# Altium PCB graviton.PcbDoc (part 15 of 15)
Units mm, origin at the board's own origin, x right, y up, seen from the top; angles counter-clockwise.
Board outline 200 x 200 mm, 10 copper layers (TOP, POLYGON1, S1, POLYGON2, POLYGON3, POLYGON4, POLYGON5, S2, POLYGON6, BOT), stack 1.751 mm thick; 1317 components, 712 nets, 5121 pads, 3994 vias.
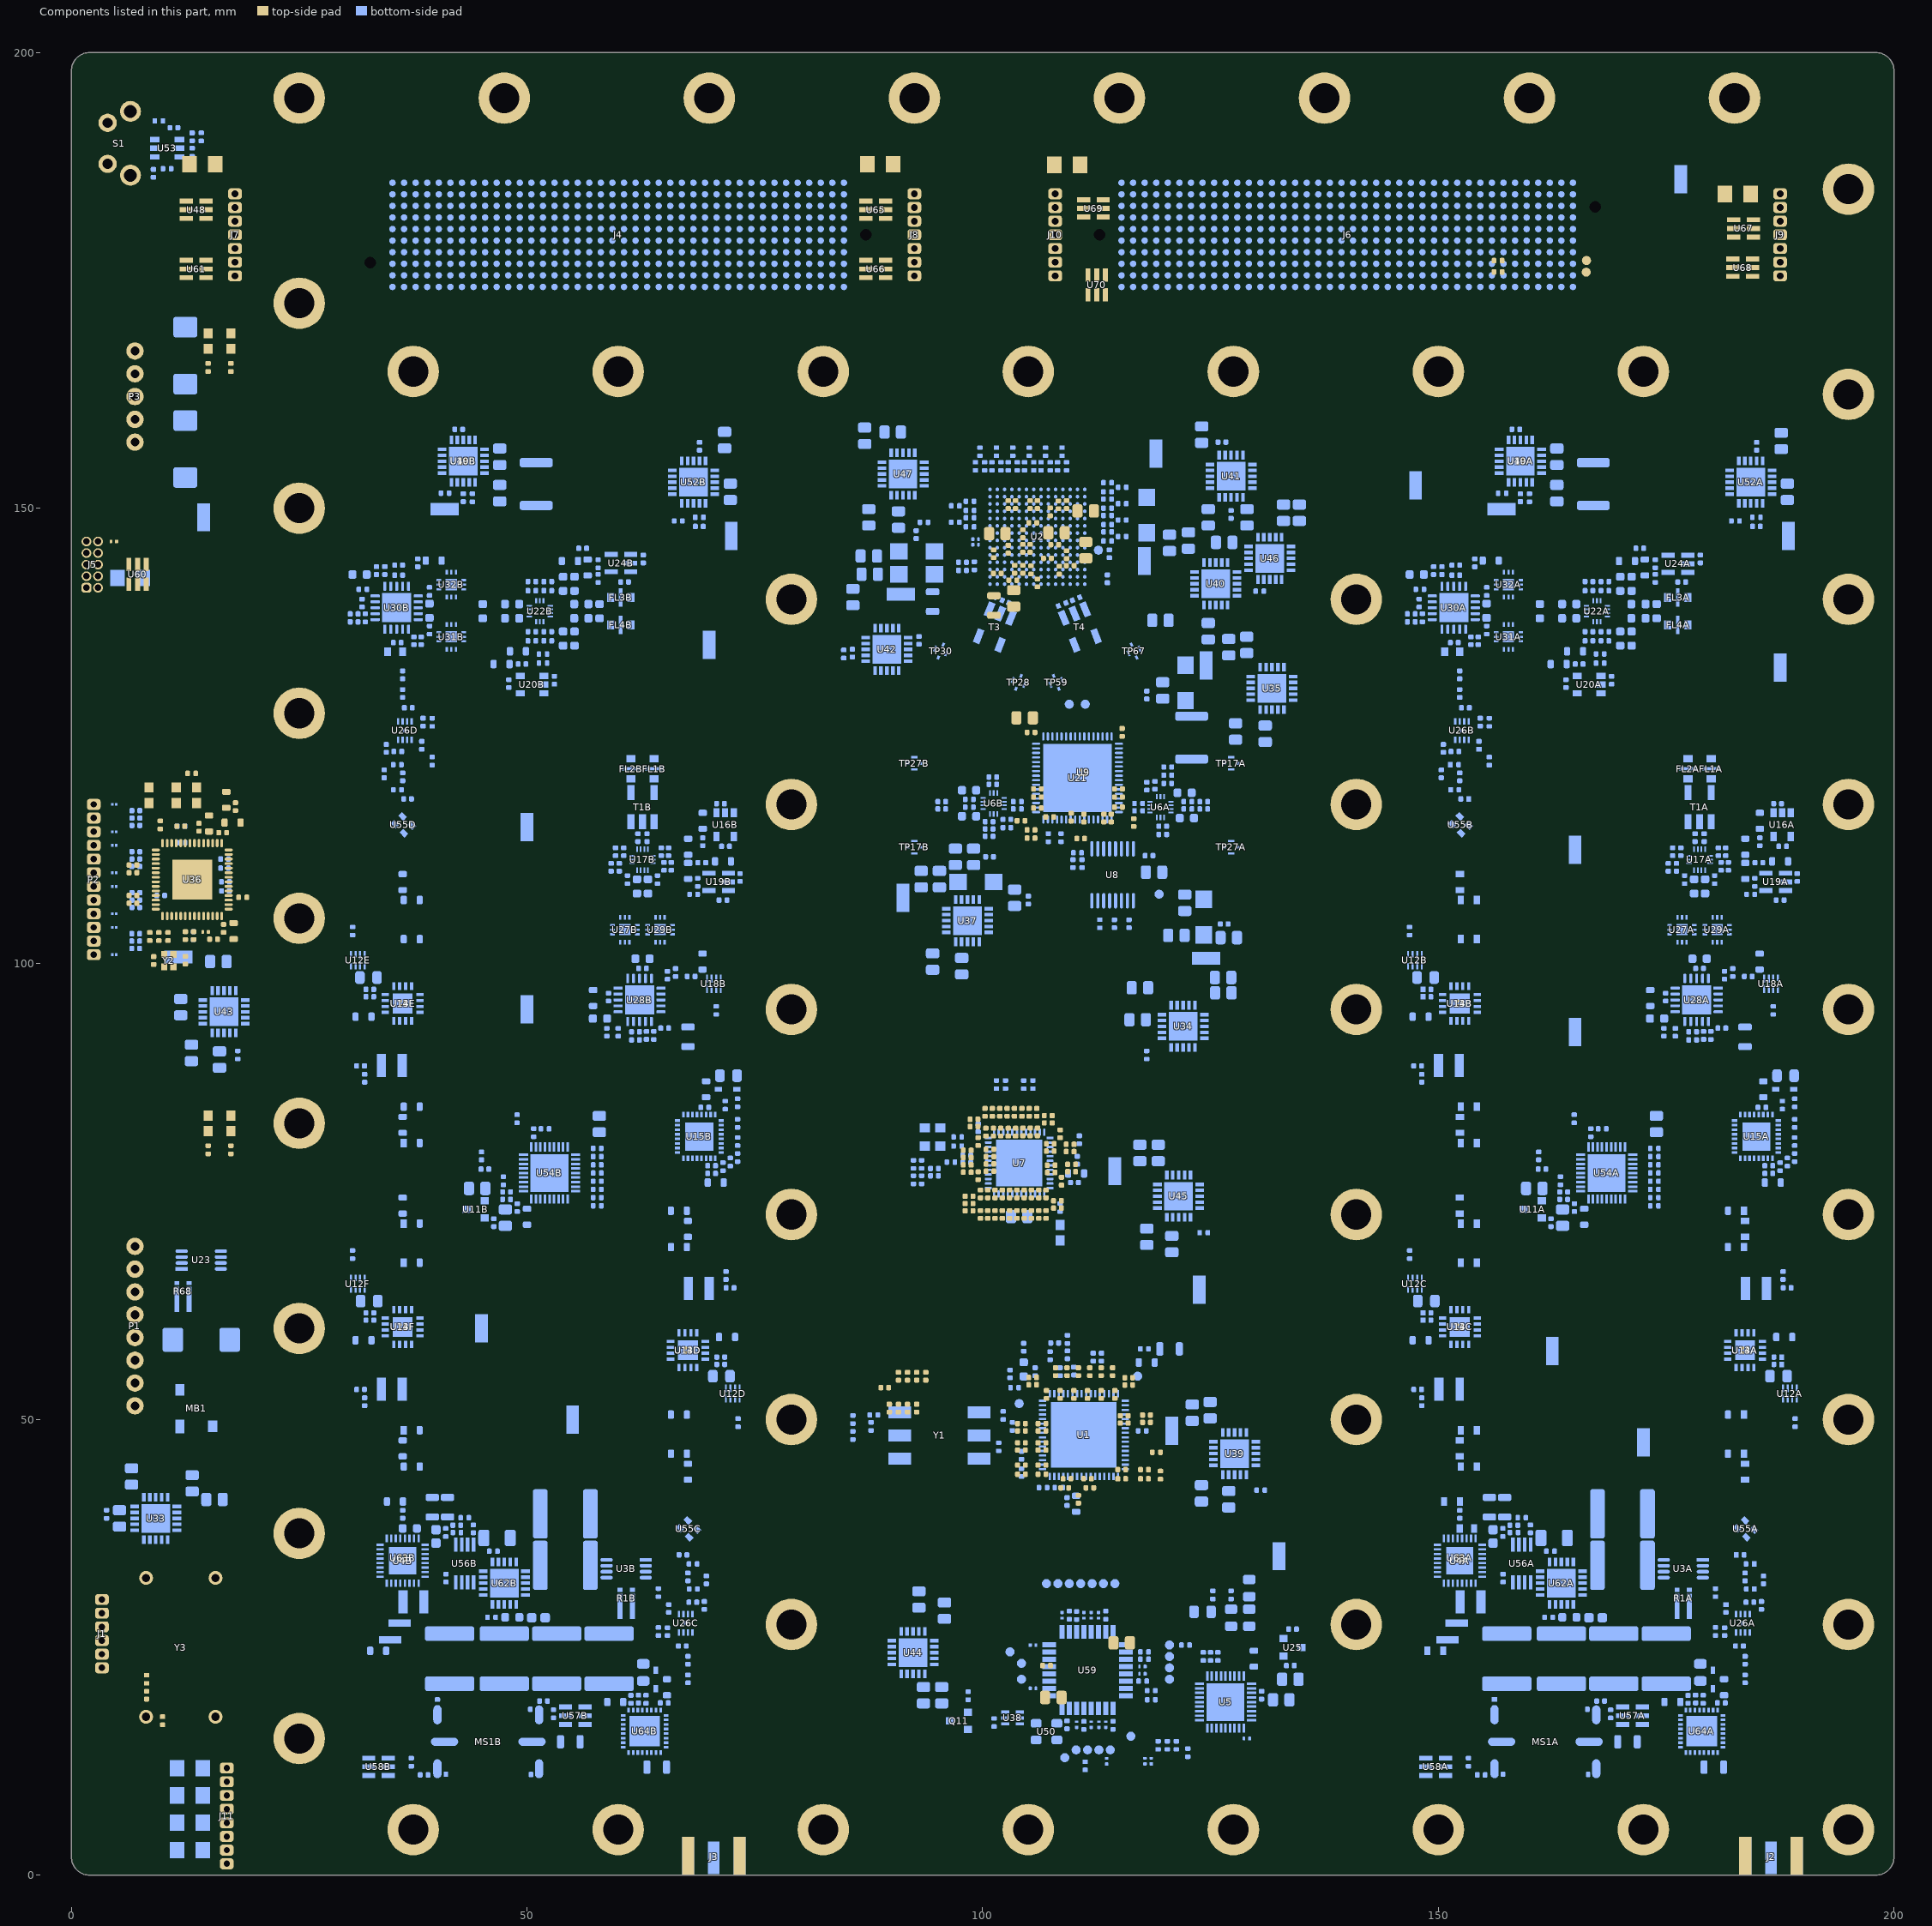
[diagram p23: the components of this part, seen from the top]

## Silkscreen, mask and mechanical layers (free items; w line width, h text height) (continued)
Bottom Solder:
  region: 146.1,4.4 146.1,160 135.9,160 135.9,4.4
  region: 200,4.3 200,4.425 190.2,4.425 190.2,4.3
  region: 86.25,4.3 86.25,4.4 74.225,4.4 74.225,4.3
  region: 67.1,4.4 67.1,10.1 66.8,10.1 66.8,4.4
  region: 86.25,0 86.25,6.425 74.225,6.425 74.225,0
  region: 200,0 200,6.8 190.2,6.8 190.2,0
  region: 183.1,4.4 183.1,10.1 182.775,10.1 182.775,4.4
  region: 182.775,10.1 84,10.1 84,0 182.775,0
  region: 84.1,4.4 84.1,160 73.9,160 73.9,4.4
  region: 66.8,10.1 28.15,10.1 28.15,0 66.8,0
  region: 30.1,0 30.1,200 19.9,200 19.9,0
  region: 200,4.425 200,193.1 189.9,193.1 189.9,4.425
  rectangle: 26.3,189.9 200,200
  rectangle: 27.225,159.9 192.15,170.1
  region: 105.1,168.15 105.1,193.1 94.9,193.1 94.9,168.15
  region: 146.1,158.9 cw(c147.1,158.9) 147.1,159.9 146.1,159.9
  region: 135.9,158.9 ccw(c134.9,158.9) 134.9,159.9 135.9,159.9
  region: 31.1,10.1 cw(c31.1,11.1) 30.1,11.1 30.1,10.1
  region: 85.1,10.1 cw(c85.1,11.1) 84.1,11.1 84.1,10.1
  region: 135.9,11.1 cw(c134.9,11.1) 134.9,10.1 135.9,10.1
  region: 147.1,10.1 cw(c147.1,11.1) 146.1,11.1 146.1,10.1
  region: 84.1,158.9 cw(c85.1,158.9) 85.1,159.9 84.1,159.9
  region: 72.9,159.9 cw(c72.9,158.9) 73.9,158.9 73.9,159.9
  region: 30.1,158.9 cw(c31.1,158.9) 31.1,159.9 30.1,159.9
  region: 105.1,188.9 cw(c106.1,188.9) 106.1,189.9 105.1,189.9
  region: 106.1,170.1 cw(c106.1,171.1) 105.1,171.1 105.1,170.1
  region: 189.9,171.1 cw(c188.9,171.1) 188.9,170.1 189.9,170.1
  region: 188.9,189.9 cw(c188.9,188.9) 189.9,188.9 189.9,189.9
  region: 93.9,189.9 cw(c93.9,188.9) 94.9,188.9 94.9,189.9
  region: 94.9,171.1 cw(c93.9,171.1) 93.9,170.1 94.9,170.1
  region: 31.1,170.1 cw(c31.1,171.1) 30.1,171.1 30.1,170.1
  region: 30.1,188.9 cw(c31.1,188.9) 31.1,189.9 30.1,189.9
  region: 188.9,159.9 cw(c188.9,158.9) 189.9,158.9 189.9,159.9
  region: 105.1,188.9 cw(c106.1,188.9) 106.1,189.9 105.1,189.9
Mechanical 2:
  lines w0.762: 200,198 ccw(c198,198) 198,200 2,200 ccw(c2,198) 0,198 0,2 ccw(c2,2) 2,0 198,0 ccw(c198,2) 200,2 200,198 ; 200,198 ccw(c200,198) 200,198 ; 200,198 ccw(c200,198) 200,198
Mechanical 3:
  lines w0.025: 19.9,0 19.9,200 ; 106,170.1 cw(c106,171) 105.1,171 105.1,189 cw(c106,189) 106,189.9 ; 126,170.1 189,170.1 ccw(c189,171) 189.9,171 189.9,189 ccw(c189,189) 189,189.9 126,189.9 ; 30.1,11 ccw(c31,11) 31,10.1 73,10.1 ccw(c73,11) 73.9,11 73.9,159 ccw(c73,159) 73,159.9 31,159.9 ccw(c31,159) 30.1,159 30.1,11 ; 30.1,171 ccw(c31,171) 31,170.1 94,170.1 ccw(c94,171) 94.9,171 94.9,189 ccw(c94,189) 94,189.9 31,189.9 ccw(c31,189) 30.1,189 30.1,171 ; 84.1,11 ccw(c85,11) 85,10.1 135,10.1 ccw(c135,11) 135.9,11 135.9,159 ccw(c135,159) 135,159.9 85,159.9 ccw(c85,159) 84.1,159 84.1,11 ; 146.1,11 ccw(c147,11) 147,10.1 189,10.1 ccw(c189,11) 189.9,11 189.9,159 ccw(c189,159) 189,159.9 147,159.9 ccw(c147,159) 146.1,159 146.1,11
  lines w0.05: 84.1,11 ccw(c85,11) 85,10.1 ; 20,0 ccw(c20,0) 20,0 ; 20,0 40.75,0 cw(c40.75,-3) 43.75,-3 43.75,-4 ccw(c46.75,-4) 46.15,-6.939 ccw(c46.25,-6.449) 46.75,-6.449 46.75,-3.5 cw(c50,-3.5) 53.25,-3.5 53.25,-6.449 ccw(c53.75,-6.449) 53.85,-6.939 ccw(c53.25,-4) 56.25,-4 56.25,-3 cw(c59.25,-3) 59.25,0 140.75,0 cw(c140.75,-3) 143.75,-3 143.75,-4 ccw(c146.75,-4) 146.15,-6.939 ccw(c146.25,-6.449) 146.75,-6.449 146.75,-3.5 cw(c150,-3.5) 153.25,-3.5 153.25,-6.449 ccw(c153.75,-6.449) 153.85,-6.939 ccw(c153.25,-4) 156.25,-4 156.25,-3 cw(c159.25,-3) 159.25,0 ; 20,0 20,200 40.75,200 ; 40.75,200 ccw(c40.75,200) 40.75,200 ; 40.75,200 ccw(c40.75,203) 43.75,203 43.75,204 cw(c46.75,204) 46.15,206.939 cw(c46.25,206.449) 46.75,206.449 46.75,203.5 ccw(c50,203.5) 53.25,203.5 53.25,206.449 cw(c53.75,206.449) 53.85,206.939 cw(c53.25,204) 56.25,204 56.25,203 ccw(c59.25,203) 59.25,200 140.75,200 ccw(c140.75,203) 143.75,203 143.75,204 cw(c146.75,204) 146.15,206.939 cw(c146.25,206.449) 146.75,206.449 146.75,203.5 ccw(c150,203.5) 153.25,203.5 153.25,206.449 cw(c153.75,206.449) 153.85,206.939 cw(c153.25,204) 156.25,204 156.25,203 ccw(c159.25,203) 159.25,200 198,200 ; 159.25,0 ccw(c159.25,0) 159.25,0 ; 159.25,0 198,0 ccw(c198,2) 200,2 200,198 ; 198,200 ccw(c198,200) 198,200 ; 198,200 cw(c198,198) 200,198 ; 198,200 198,200 ; 200,198 ccw(c200,198) 200,198 ; 200,198 ccw(c200,198) 200,198 ; 30,11 ccw(c31,11) 31,10 73,10 ccw(c73,11) 74,11 74,159 ccw(c73,159) 73,160 31,160 ccw(c31,159) 30,159 30,11 ; 30,171 ccw(c31,171) 31,170 94,170 ccw(c94,171) 95,171 95,189 ccw(c94,189) 94,190 31,190 ccw(c31,189) 30,189 30,171 ; 84,11 ccw(c85,11) 85,10 135,10 ccw(c135,11) 136,11 136,159 ccw(c135,159) 135,160 85,160 ccw(c85,159) 84,159 84,11 ; 105,171 ccw(c106,171) 106,170 189,170 ccw(c189,171) 190,171 190,189 ccw(c189,189) 189,190 106,190 ccw(c106,189) 105,189 105,171 ; 146,11 ccw(c147,11) 147,10 189,10 ccw(c189,11) 190,11 190,159 ccw(c189,159) 189,160 147,160 ccw(c147,159) 146,159 146,11
Mechanical 16:
  lines w0.127: -58,-3.025 -52.92,-3.025 ; -58,50.95 -52.92,50.95 ; -58,104.925 -52.92,104.925 ; -58,158.9 -58,-57 221.4,-57 ; -58,222.4 221.4,222.4 221.4,217.32 ; -52.92,217.3 -52.92,-51.92 218.86,-51.92 ; -52.92,217.32 368.7,217.32 ; 11.85,-57 11.85,-51.92 ; 11.85,217.32 11.85,222.4 ; 81.7,-57 81.7,-51.92 ; 81.7,217.32 81.7,222.4 ; 151.55,-57 151.55,-51.92 ; 151.55,217.32 151.55,222.4 ; 183.3,-51.92 183.3,-21.44 218.86,-21.44 ; 183.3,-30.584 218.86,-30.584 ; 184.57,-33.886 194.73,-33.886 ; 190.031,-40.998 190.793,-40.998 ; 190.031,-40.363 190.793,-40.363 ; 190.031,-38.458 190.793,-38.458 ; 190.031,-37.823 190.793,-37.823 ; 190.031,-35.918 190.793,-35.918 ; 190.031,-35.283 190.793,-35.283 ; 254.42,-44.3 368.72,-44.3 ; 254.42,-36.68 368.72,-36.68 ; 254.42,-29.06 292.52,-29.06 ; 254.42,197 368.72,197 ; 254.42,207.16 368.72,207.16 ; 254.42,212.24 368.72,212.24 ; 254.42,217.32 254.42,202.08 ; 269.66,191.92 269.66,202.08 269.66,217.32 ; 282.36,191.92 282.36,202.08 282.36,217.32 ; 291.25,217.32 291.25,222.4 ; 292.52,-51.92 292.52,-36.68 292.52,-21.44 ; 345.86,-51.92 345.86,-36.68 ; 352.845,191.92 352.845,202.08 352.845,217.32 ; 361.1,217.32 361.1,222.4 ; 368.72,-3.025 373.8,-3.025 ; 368.72,50.95 373.8,50.95 ; 368.72,104.925 373.8,104.925 ; 368.72,158.9 373.8,158.9 373.8,-57 ; 368.72,191.92 254.42,191.92 254.42,202.08 ; 368.72,202.08 254.42,202.08 ; 368.72,217.4 368.72,-51.92 ; 218.86,-51.92 254.42,-51.92 ; 218.86,-51.92 218.86,-21.44 ; 218.86,-21.44 254.42,-21.44 ; 254.42,-51.92 368.72,-51.92 ; 254.42,-51.92 254.42,-21.44 ; 254.42,-21.44 292.52,-21.44 ; 292.52,-21.44 368.72,-21.44 368.72,-51.92
  lines w0.178: 190.412,-40.744 190.412,-39.982 ; 190.412,-38.204 190.412,-37.442 ; 190.412,-35.664 190.412,-34.902
  text "1" at -23.676,218.971 h1.78
  text "2" at 46.191,218.971 h1.78
  text "3" at 115.914,218.971 h1.78
  text "3" at 185.764,218.971 h1.78
  text "4" at 255.614,218.971 h1.78
  text "5" at 325.464,218.971 h1.78
  text "REV" at 255.69,213.51 h1.7
  text "DATE" at 270.93,213.51 h1.7
  text "DESC" at 283.63,213.51 h1.7
  text "ENG" at 354.75,213.51 h1.7
  text "1" at 255.69,208.43 h1.7
  text "01/11/17" at 270.93,208.43 h1.7
  text "INITIAL RELEASE" at 283.63,208.43 h1.7
  text "EC" at 354.75,208.43 h1.7
  text "2" at 255.69,203.35 h1.7
  text "3/11/17" at 270.93,203.35 h1.7
  text "FIXES" at 283.63,203.35 h1.7
  text "JDB" at 354.75,203.35 h1.7
  text "2B" at 255.69,198.27 h1.7
  text "9/20/17" at 270.93,198.27 h1.7
  text "MINOR FIXES" at 283.63,198.27 h1.7
  text "JDB" at 354.75,198.27 h1.7
  text "3" at 255.69,193.19 h1.7
  text "5/14/18" at 270.93,193.19 h1.7
  text "COMPLETE REDESIGN" at 283.63,193.19 h1.7
  text "JDB" at 354.75,193.19 h1.7
  text "A" at 371,180 h1.78
  text "J. Brinton" at 174.087,155.167 h1.78
  text "PCB DESIGNER:" at 174.265,151.027 h1.14
  text "J. Brinton" at 174.265,147.725 h1.78
  text "A" at -56.095,129.614 h1.78
  text "B" at 370.625,129.614 h1.78
  text "1" at 134.5,84.5 h1.78
  text "B" at -56.095,75.639 h1.78
  text "C" at 370.625,75.639 h1.78
  text "C" at -56.095,21.664 h1.78
  text "D" at 370.625,21.664 h1.78
  text "ENGINEER:" at 255.69,-23.98 h1.14
  text "TITLE:" at 293.79,-23.98 h1.14
  text "ALL DIMENSIONS ARE IN MM (INCHES)" at 185.205,-25.885 h1.2
  text "Signal Laboratories, Inc." at 221.4,-25.885 h1.78
  text "J. Brinton" at 255.69,-27.155 h1.7
  text "3479 Edison Way" at 221.4,-28.425 h1.78
  text "TOLERANCES:" at 196.254,-30.076 h1.2
  text "Menlo Park CA 94089" at 221.4,-30.965 h1.78
  text "GRAVITON" at 294.425,-30.965 h2.2
  text "D" at -56.095,-32.184 h1.78
  text "E" at 370.625,-32.184 h1.78
  text "DECIMALS" at 185.205,-32.87 h1.2
  text ".X     0.1" at 185.205,-36.045 h1.2
  text ".XX    0.05" at 185.205,-38.585 h1.2
  text "DATE:" at 255.69,-39.22 h1.14
  text "PART NO.:" at 293.79,-39.22 h1.14
  text "REV:" at 347.13,-39.22 h1.14
  text ".XXX   0.005" at 185.205,-41.125 h1.2
  text ".Print_Date" at 255.69,-42.395 h1.7
  text "-" at 293.79,-42.395 h1.78
  text "3" at 347.13,-42.395 h1.78
  text "*UNLESS OTHERWISE NOTED" at 184.57,-46.84 h1.2
  text "FILE NAME:" at 255.69,-46.84 h1.14
  text "DWG NO:" at 293.79,-46.84 h1.14
  text "SCALE:" at 347.13,-46.84 h1.14
  text ".PCB_FILE_NAME_NO_PATH" at 256.96,-49.888 h1.78
  text "-" at 293.79,-50.015 h1.78
  text "1:1" at 347.13,-50.015 h1.78
  text "2" at 46.191,-55.349 h1.78
  text "3" at 115.914,-55.349 h1.78
  text "4" at 185.789,-55.349 h1.78
Drill Drawing:
  text "GRAVITON - REVISION 3 (5/14/2018)" at 211.785,177.75 h1.2
  text "1. FINISH: (PER VENDOR RECOMMENDATION)" at 214.63,175.26 h1.2
  text "2. SOLDERMASK: GREEN" at 214.63,172.72 h1.2
  text "3. SILKSCREEN: WHITE" at 214.63,170.18 h1.2
  text "4. ORDER:" at 214.63,167.64 h1.2
  text "5. CONTROLLED IMPEDANCE (mil)" at 213.36,139.7 h1.2
  text "graviton.GTO / graviton.GTS / graviton.GTL (top copper) / graviton.G1 (signal) name: \"POLYGON1\" / graviton.G2 (signal) name: \"S1\" / graviton.G3 (signal) name: \"POLYGON2\" / graviton.G4 (signal) name: \"POLYGON3\" / graviton.G5 (signal) name: \"POLYGON4\" / graviton.G6 (signal) name: \"POLYGON5\" / graviton.G7 (signal) name: \"S2\" / graviton.G8 (signal) name: \"POLYGON6\" / graviton.GBL (bottom copper) / graviton.GBS / graviton.GBO" at 218.44,139.7 h1.8
  text "Layer 1 (ref 2) and 10 (ref 9),    50-Ohm(S.E.),  14 trace,             13.5 etch      (per HEI quote stack-up, verified with Speedstack 49.5 Ohms) / Layer 1 (ref 4) and 10 (ref 7),    50-Ohm(S.E.),  36 trace,             35.5 etch      (calculated with Speedstack 49.5 Ohms) / Layer 3 (ref 2,4) and 8 (ref 7,9), 50-Ohm(S.E.),  3.875 trace,          3.125 etch     (calculated with Speedstack 49.8 Ohms) /  / Layer 1 (ref 2) and 10 (ref 9),    100-Ohm(D.E.), 6.25/3.5 trace/space, 5.75/4 etch    (calculated with Speedstack, 99.9 Ohms) / Layer 3 (ref 2,4) and 8 (ref 7,9), 100-Ohm(D.E.), 3.5/4.5 trace/space,  2.75/5.25 etch (per HEI quote stack-up, verified with Speedstack 99.0 Ohms)" at 218.44,124.46 h1.8
  text "6. DO NOT ADD HATCHING" at 213.36,119.38 h1.2
  text ".Legend" at 234.95,45.72 h1.2

## Dimensions
2,2 to -5,-4 on Drill Drawing
-2,0 to 0,200 on Drill Drawing
0,-2 to 200,0 on Drill Drawing

## Text inside footprints (layer, text, board x,y; h text height)
D1: Bottom Overlay "+" at 107.8,71.6 h0.51 r90; Bottom Overlay "-" at 107.8,69.9 h0.51 r90
D2: Bottom Overlay "+" at 95.6,80.7 h0.51; Bottom Overlay "-" at 93.9,80.7 h0.51
D3: Bottom Overlay "+" at 95.6,82.7 h0.51; Bottom Overlay "-" at 93.9,82.7 h0.51
D12: Top Overlay "+" at 10.8,117.4 h0.51 r90; Top Overlay "-" at 10.8,119.1 h0.51 r90
D13: Top Overlay "+" at 9.225,119.6 h0.51 r270; Top Overlay "-" at 9.225,117.9 h0.51 r270
D15A: Top Overlay "+" at 16.8,167.25 h0.51 r90; Top Overlay "-" at 16.8,168.95 h0.51 r90
D15B: Top Overlay "+" at 16.8,81.4 h0.51 r90; Top Overlay "-" at 16.8,83.1 h0.51 r90
D16A: Top Overlay "+" at 14.3,167.25 h0.51 r90; Top Overlay "-" at 14.3,168.95 h0.51 r90
D16B: Top Overlay "+" at 14.3,81.4 h0.51 r90; Top Overlay "-" at 14.3,83.1 h0.51 r90
D25: Top Overlay "+" at 12.6,119.575 h0.51 r270; Top Overlay "-" at 12.6,117.925 h0.51 r270